# KiCad board Leopold Replacement.kicad_pcb (continued)
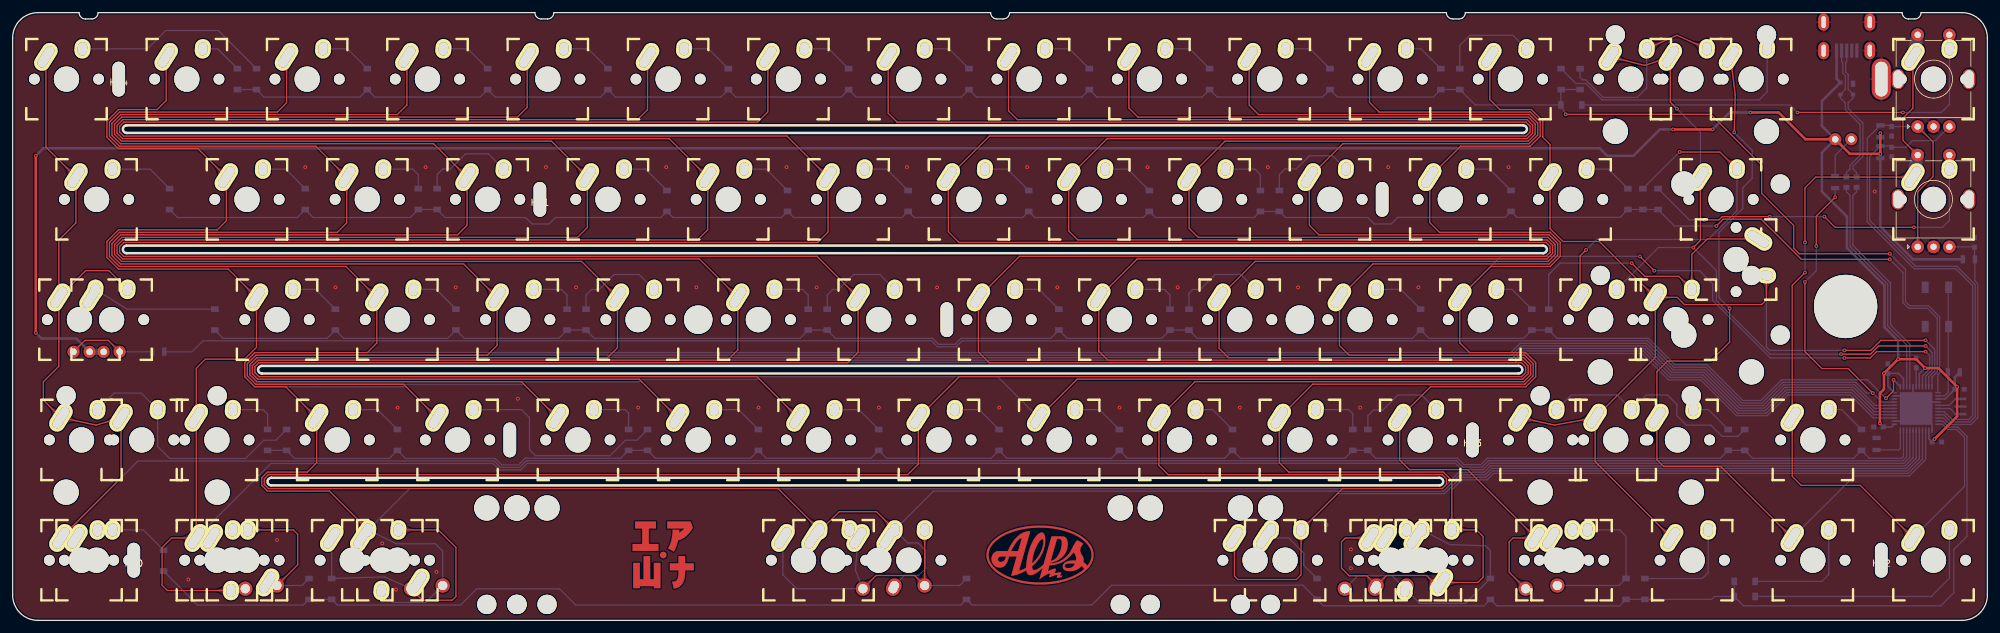
[diagram p0: board, top side]
## Copper pours and planes (outline as drawn; the poured copper is in the pictures) (continued)
Net-(D41-Pad2) on Bottom: 203.9,90.44 203.83,90.44 203.75,90.44 203.68,90.44 203.61,90.45 203.54,90.46 203.47,90.47 203.4,90.48 203.33,90.49 203.26,90.51 203.19,90.52 203.13,90.54 203.06,90.56 203,90.58 202.93,90.6 202.87,90.63 202.81,90.66 202.74,90.68 202.68,90.71 202.62,90.75 202.56,90.78 202.51,90.82 202.45,90.85 202.39,90.89 202.34,90.93 202.28,90.97 202.23,91.02 202.17,91.06 202.12,91.11 202.07,91.16 202.02,91.21 200.5,90.34 202.02,89.46 202.07,89.51 202.12,89.56 202.17,89.61 202.23,89.65 202.28,89.7 202.34,89.74 202.39,89.78 202.45,89.82 202.51,89.86 202.56,89.89 202.62,89.92 202.68,89.96 202.74,89.99 202.81,90.01 202.87,90.04 202.93,90.07 203,90.09 203.06,90.11 203.13,90.13 203.19,90.15 203.26,90.17 203.33,90.18 203.4,90.19 203.47,90.2 203.54,90.21 203.61,90.22 203.68,90.23 203.75,90.23 203.83,90.23 203.9,90.24
Net-(D42-Pad2) on Bottom: 208.6,73.22 208.65,73.16 208.7,73.11 208.75,73.06 208.79,73 208.84,72.94 208.88,72.89 208.92,72.83 208.96,72.77 209,72.71 209.04,72.66 209.07,72.6 209.1,72.54 209.13,72.47 209.16,72.41 209.19,72.35 209.21,72.29 209.24,72.22 209.26,72.16 209.28,72.09 209.3,72.03 209.31,71.96 209.33,71.9 209.34,71.83 209.35,71.76 209.36,71.69 209.37,71.62 209.37,71.55 209.38,71.48 209.38,71.41 209.38,71.34 211.07,70.88 210.62,72.58 210.55,72.58 210.47,72.58 210.4,72.58 210.33,72.59 210.26,72.59 210.2,72.6 210.13,72.61 210.06,72.63 209.99,72.64 209.93,72.66 209.86,72.68 209.8,72.7 209.73,72.72 209.67,72.74 209.6,72.77 209.54,72.79 209.48,72.82 209.42,72.85 209.36,72.88 209.3,72.92 209.24,72.95 209.18,72.99 209.12,73.03 209.07,73.07 209.01,73.12 208.95,73.16 208.9,73.21 208.84,73.26 208.79,73.31 208.74,73.36
Net-(D43-Pad2) on Bottom: 218.16,52.42 218.08,52.42 218.01,52.42 217.94,52.42 217.87,52.43 217.79,52.44 217.72,52.45 217.65,52.46 217.59,52.47 217.52,52.49 217.45,52.5 217.38,52.52 217.32,52.54 217.25,52.56 217.19,52.58 217.13,52.61 217.06,52.64 217,52.66 216.94,52.69 216.88,52.73 216.82,52.76 216.76,52.8 216.71,52.83 216.65,52.87 216.59,52.91 216.54,52.95 216.48,53 216.43,53.04 216.38,53.09 216.33,53.14 216.28,53.19 214.76,52.32 216.28,51.44 216.33,51.49 216.38,51.54 216.43,51.59 216.48,51.63 216.54,51.68 216.59,51.72 216.65,51.76 216.71,51.8 216.76,51.84 216.82,51.87 216.88,51.9 216.94,51.94 217,51.97 217.06,51.99 217.13,52.02 217.19,52.05 217.25,52.07 217.32,52.09 217.38,52.11 217.45,52.13 217.52,52.15 217.59,52.16 217.65,52.17 217.72,52.18 217.79,52.19 217.87,52.2 217.94,52.21 218.01,52.21 218.08,52.21 218.16,52.22
Net-(D44-Pad2) on Bottom: 208.65,33.41 208.58,33.41 208.51,33.41 208.43,33.41 208.36,33.42 208.29,33.43 208.22,33.44 208.15,33.45 208.08,33.46 208.01,33.48 207.94,33.49 207.88,33.51 207.81,33.53 207.75,33.55 207.68,33.57 207.62,33.6 207.56,33.63 207.5,33.65 207.44,33.68 207.38,33.72 207.32,33.75 207.26,33.79 207.2,33.82 207.14,33.86 207.09,33.9 207.03,33.94 206.98,33.99 206.93,34.03 206.87,34.08 206.82,34.13 206.77,34.18 205.25,33.31 206.77,32.43 206.82,32.48 206.87,32.53 206.93,32.58 206.98,32.62 207.03,32.67 207.09,32.71 207.14,32.75 207.2,32.79 207.26,32.83 207.32,32.86 207.38,32.89 207.44,32.93 207.5,32.96 207.56,32.98 207.62,33.01 207.68,33.04 207.75,33.06 207.81,33.08 207.88,33.1 207.94,33.12 208.01,33.14 208.08,33.15 208.15,33.16 208.22,33.17 208.29,33.18 208.36,33.19 208.43,33.2 208.51,33.2 208.58,33.2 208.65,33.21
Net-(D45-Pad2) on Bottom: 222.48,90.44 221.03,91.21 219.51,90.34 221.03,89.46 222.48,90.24
Net-(D46-Pad2) on Bottom: 232.42,71.43 232.34,71.43 232.27,71.43 232.2,71.43 232.12,71.44 232.05,71.45 231.98,71.46 231.91,71.47 231.84,71.48 231.77,71.5 231.71,71.51 231.64,71.53 231.58,71.55 231.51,71.57 231.45,71.59 231.38,71.62 231.32,71.65 231.26,71.67 231.2,71.7 231.14,71.74 231.08,71.77 231.02,71.81 230.96,71.84 230.91,71.88 230.85,71.92 230.8,71.96 230.74,72.01 230.69,72.05 230.64,72.1 230.58,72.15 230.53,72.2 229.01,71.33 230.53,70.45 230.58,70.5 230.64,70.55 230.69,70.6 230.74,70.64 230.8,70.69 230.85,70.73 230.91,70.77 230.96,70.81 231.02,70.85 231.08,70.88 231.14,70.91 231.2,70.95 231.26,70.98 231.32,71 231.38,71.03 231.45,71.06 231.51,71.08 231.58,71.1 231.64,71.12 231.71,71.14 231.77,71.16 231.84,71.17 231.91,71.18 231.98,71.19 232.05,71.2 232.12,71.21 232.2,71.22 232.27,71.22 232.34,71.22 232.42,71.23
Net-(D47-Pad2) on Bottom: 236.86,52.42 235.29,53.19 233.77,52.32 235.29,51.44 236.86,52.22
Net-(D48-Pad2) on Bottom: 222.85,35.2 222.91,35.14 222.96,35.09 223,35.04 223.05,34.98 223.1,34.92 223.14,34.87 223.18,34.81 223.22,34.75 223.26,34.69 223.29,34.64 223.33,34.58 223.36,34.52 223.39,34.45 223.42,34.39 223.45,34.33 223.47,34.27 223.5,34.2 223.52,34.14 223.54,34.07 223.56,34.01 223.57,33.94 223.59,33.88 223.6,33.81 223.61,33.74 223.62,33.67 223.63,33.6 223.63,33.53 223.64,33.46 223.64,33.39 223.64,33.32 225.33,32.86 224.88,34.56 224.8,34.56 224.73,34.56 224.66,34.56 224.59,34.57 224.52,34.57 224.45,34.58 224.38,34.59 224.32,34.61 224.25,34.62 224.18,34.64 224.12,34.66 224.05,34.68 223.99,34.7 223.93,34.72 223.86,34.75 223.8,34.77 223.74,34.8 223.68,34.83 223.62,34.86 223.56,34.9 223.5,34.93 223.44,34.97 223.38,35.01 223.32,35.05 223.27,35.1 223.21,35.14 223.16,35.19 223.1,35.24 223.05,35.29 223,35.34
Net-(D49-Pad2) on Bottom: 237.11,92.23 237.16,92.17 237.21,92.12 237.26,92.07 237.31,92.01 237.35,91.95 237.4,91.9 237.44,91.84 237.48,91.78 237.52,91.72 237.55,91.67 237.59,91.61 237.62,91.55 237.65,91.48 237.68,91.42 237.7,91.36 237.73,91.3 237.75,91.23 237.77,91.17 237.79,91.1 237.81,91.04 237.83,90.97 237.84,90.91 237.86,90.84 237.87,90.77 237.88,90.7 237.88,90.63 237.89,90.56 237.89,90.49 237.89,90.42 237.9,90.35 239.59,89.89 239.13,91.59 239.06,91.59 238.99,91.59 238.92,91.59 238.85,91.6 238.78,91.6 238.71,91.61 238.64,91.62 238.57,91.64 238.51,91.65 238.44,91.67 238.38,91.69 238.31,91.71 238.25,91.73 238.18,91.75 238.12,91.78 238.06,91.8 238,91.83 237.93,91.86 237.87,91.89 237.81,91.93 237.76,91.96 237.7,92 237.64,92.04 237.58,92.08 237.53,92.13 237.47,92.17 237.41,92.22 237.36,92.27 237.31,92.32 237.25,92.37
Net-(D50-Pad2) on Bottom: 251.43,71.43 251.35,71.43 251.28,71.43 251.21,71.43 251.13,71.44 251.06,71.45 250.99,71.46 250.92,71.47 250.85,71.48 250.78,71.5 250.72,71.51 250.65,71.53 250.59,71.55 250.52,71.57 250.46,71.59 250.39,71.62 250.33,71.65 250.27,71.67 250.21,71.7 250.15,71.74 250.09,71.77 250.03,71.81 249.97,71.84 249.92,71.88 249.86,71.92 249.81,71.96 249.75,72.01 249.7,72.05 249.65,72.1 249.59,72.15 249.54,72.2 248.03,71.33 249.54,70.45 249.59,70.5 249.65,70.55 249.7,70.6 249.75,70.64 249.81,70.69 249.86,70.73 249.92,70.77 249.97,70.81 250.03,70.85 250.09,70.88 250.15,70.91 250.21,70.95 250.27,70.98 250.33,71 250.39,71.03 250.46,71.06 250.52,71.08 250.59,71.1 250.65,71.12 250.72,71.14 250.78,71.16 250.85,71.17 250.92,71.18 250.99,71.19 251.06,71.2 251.13,71.21 251.21,71.22 251.28,71.22 251.35,71.22 251.43,71.23
Net-(D51-Pad2) on Top: 263.25,54.21 263.3,54.15 263.35,54.1 263.4,54.05 263.45,53.99 263.49,53.93 263.54,53.88 263.58,53.82 263.62,53.76 263.65,53.7 263.69,53.65 263.72,53.59 263.76,53.53 263.79,53.46 263.82,53.4 263.84,53.34 263.87,53.28 263.89,53.21 263.91,53.15 263.93,53.08 263.95,53.02 263.97,52.95 263.98,52.89 264,52.82 264.01,52.75 264.02,52.68 264.02,52.61 264.03,52.54 264.03,52.47 264.03,52.4 264.03,52.33 265.73,51.87 265.27,53.57 265.2,53.57 265.13,53.57 265.06,53.57 264.99,53.58 264.92,53.58 264.85,53.59 264.78,53.6 264.71,53.62 264.65,53.63 264.58,53.65 264.51,53.67 264.45,53.69 264.39,53.71 264.32,53.73 264.26,53.76 264.2,53.78 264.13,53.81 264.07,53.84 264.01,53.87 263.95,53.91 263.89,53.94 263.84,53.98 263.78,54.02 263.72,54.06 263.66,54.11 263.61,54.15 263.55,54.2 263.5,54.25 263.44,54.3 263.39,54.35
Net-(D51-Pad2) on Top: 273.01,60.19 273.09,60.18 273.16,60.18 273.23,60.18 273.31,60.17 273.38,60.16 273.45,60.15 273.52,60.14 273.59,60.13 273.65,60.12 273.72,60.1 273.79,60.08 273.85,60.06 273.92,60.04 273.98,60.02 274.05,59.99 274.11,59.96 274.17,59.94 274.23,59.91 274.29,59.87 274.35,59.84 274.41,59.81 274.47,59.77 274.52,59.73 274.58,59.69 274.63,59.65 274.69,59.6 274.74,59.56 274.79,59.51 274.85,59.46 274.9,59.41 276.41,60.29 274.9,61.16 274.85,61.11 274.79,61.06 274.74,61.01 274.69,60.97 274.63,60.92 274.58,60.88 274.52,60.84 274.47,60.8 274.41,60.77 274.35,60.73 274.29,60.7 274.23,60.66 274.17,60.63 274.11,60.61 274.05,60.58 273.98,60.55 273.92,60.53 273.85,60.51 273.79,60.49 273.72,60.47 273.65,60.46 273.59,60.44 273.52,60.43 273.45,60.42 273.38,60.41 273.31,60.4 273.23,60.39 273.16,60.39 273.09,60.39 273.01,60.39
Net-(D51-Pad2) on Top: 265.18,55.09 265.18,55.02 265.18,54.94 265.18,54.87 265.17,54.8 265.16,54.73 265.15,54.66 265.14,54.59 265.13,54.52 265.11,54.45 265.1,54.38 265.08,54.32 265.06,54.25 265.04,54.19 265.02,54.12 264.99,54.06 264.96,54 264.94,53.93 264.9,53.87 264.87,53.81 264.84,53.75 264.8,53.7 264.77,53.64 264.73,53.58 264.69,53.53 264.65,53.47 264.6,53.42 264.56,53.36 264.51,53.31 264.46,53.26 264.41,53.21 265.28,51.69 266.16,53.21 266.11,53.26 266.06,53.31 266.01,53.36 265.97,53.42 265.92,53.47 265.88,53.53 265.84,53.58 265.8,53.64 265.76,53.7 265.73,53.75 265.69,53.81 265.66,53.87 265.63,53.93 265.6,54 265.58,54.06 265.55,54.12 265.53,54.19 265.51,54.25 265.49,54.32 265.47,54.38 265.45,54.45 265.44,54.52 265.43,54.59 265.41,54.66 265.41,54.73 265.4,54.8 265.39,54.87 265.39,54.94 265.38,55.02 265.38,55.09
Net-(D52-Pad2) on Bottom: 245.79,35.34 245.74,35.29 245.68,35.24 245.63,35.19 245.57,35.14 245.52,35.1 245.46,35.05 245.4,35.01 245.35,34.97 245.29,34.93 245.23,34.9 245.17,34.86 245.11,34.83 245.05,34.8 244.98,34.77 244.92,34.75 244.86,34.72 244.8,34.7 244.73,34.68 244.67,34.66 244.6,34.64 244.53,34.62 244.47,34.61 244.4,34.59 244.33,34.58 244.26,34.57 244.19,34.57 244.12,34.56 244.05,34.56 243.98,34.56 243.91,34.56 243.46,32.86 245.15,33.32 245.15,33.39 245.15,33.46 245.15,33.53 245.16,33.6 245.17,33.67 245.18,33.74 245.19,33.81 245.2,33.88 245.21,33.94 245.23,34.01 245.25,34.07 245.27,34.14 245.29,34.2 245.31,34.27 245.34,34.33 245.37,34.39 245.39,34.45 245.42,34.52 245.46,34.58 245.49,34.64 245.53,34.69 245.56,34.75 245.6,34.81 245.65,34.87 245.69,34.92 245.73,34.98 245.78,35.04 245.83,35.09 245.88,35.14 245.93,35.2
Net-(D52-Pad2) on Bottom: 253.75,35.2 253.8,35.14 253.85,35.09 253.9,35.04 253.94,34.98 253.99,34.92 254.03,34.87 254.07,34.81 254.11,34.75 254.15,34.69 254.19,34.64 254.22,34.58 254.25,34.52 254.28,34.45 254.31,34.39 254.34,34.33 254.36,34.27 254.39,34.2 254.41,34.14 254.43,34.07 254.45,34.01 254.46,33.94 254.48,33.88 254.49,33.81 254.5,33.74 254.51,33.67 254.52,33.6 254.52,33.53 254.53,33.46 254.53,33.39 254.53,33.32 256.22,32.86 255.77,34.56 255.69,34.56 255.62,34.56 255.55,34.56 255.48,34.57 255.41,34.57 255.34,34.58 255.28,34.59 255.21,34.61 255.14,34.62 255.08,34.64 255.01,34.66 254.94,34.68 254.88,34.7 254.82,34.72 254.75,34.75 254.69,34.77 254.63,34.8 254.57,34.83 254.51,34.86 254.45,34.9 254.39,34.93 254.33,34.97 254.27,35.01 254.22,35.05 254.16,35.1 254.1,35.14 254.05,35.19 253.99,35.24 253.94,35.29 253.89,35.34
Net-(D52-Pad2) on Bottom: 257.67,35.34 257.62,35.29 257.56,35.24 257.51,35.19 257.45,35.14 257.4,35.1 257.34,35.05 257.28,35.01 257.23,34.97 257.17,34.93 257.11,34.9 257.05,34.86 256.99,34.83 256.93,34.8 256.87,34.77 256.8,34.75 256.74,34.72 256.68,34.7 256.61,34.68 256.55,34.66 256.48,34.64 256.42,34.62 256.35,34.61 256.28,34.59 256.21,34.58 256.15,34.57 256.08,34.57 256.01,34.56 255.93,34.56 255.86,34.56 255.79,34.56 255.34,32.86 257.03,33.32 257.03,33.39 257.03,33.46 257.03,33.53 257.04,33.6 257.05,33.67 257.06,33.74 257.07,33.81 257.08,33.88 257.09,33.94 257.11,34.01 257.13,34.07 257.15,34.14 257.17,34.2 257.19,34.27 257.22,34.33 257.25,34.39 257.28,34.45 257.31,34.52 257.34,34.58 257.37,34.64 257.41,34.69 257.45,34.75 257.49,34.81 257.53,34.87 257.57,34.92 257.62,34.98 257.66,35.04 257.71,35.09 257.76,35.14 257.81,35.2
Net-(D53-Pad2) on Top: 260.65,91.57 260.58,91.54 260.51,91.51 260.44,91.48 260.37,91.46 260.3,91.44 260.24,91.42 260.17,91.4 260.1,91.38 260.03,91.37 259.96,91.35 259.9,91.34 259.83,91.33 259.76,91.33 259.69,91.32 259.62,91.32 259.56,91.32 259.49,91.32 259.42,91.32 259.35,91.33 259.29,91.33 259.22,91.34 259.15,91.35 259.08,91.36 259.01,91.38 258.95,91.39 258.88,91.41 258.81,91.43 258.74,91.45 258.68,91.47 258.61,91.5 257.59,90.08 259.33,89.9 259.35,89.97 259.38,90.04 259.41,90.1 259.44,90.17 259.47,90.23 259.5,90.29 259.54,90.35 259.57,90.41 259.61,90.46 259.65,90.52 259.69,90.58 259.73,90.63 259.77,90.68 259.82,90.73 259.87,90.78 259.91,90.83 259.96,90.88 260.01,90.93 260.06,90.97 260.12,91.01 260.17,91.06 260.23,91.1 260.28,91.14 260.34,91.18 260.4,91.21 260.47,91.25 260.53,91.29 260.59,91.32 260.66,91.35 260.73,91.38
Net-(D53-Pad2) on Top: 265.09,91.39 265.16,91.36 265.22,91.32 265.29,91.29 265.35,91.25 265.41,91.22 265.47,91.18 265.53,91.14 265.59,91.1 265.64,91.06 265.7,91.02 265.75,90.97 265.8,90.93 265.85,90.88 265.9,90.83 265.95,90.79 266,90.74 266.04,90.68 266.08,90.63 266.13,90.58 266.17,90.52 266.2,90.47 266.24,90.41 266.28,90.35 266.31,90.29 266.34,90.23 266.38,90.17 266.41,90.1 266.43,90.04 266.46,89.97 266.49,89.91 268.23,90.08 267.21,91.5 267.14,91.47 267.07,91.45 267,91.43 266.94,91.41 266.87,91.39 266.8,91.38 266.73,91.36 266.67,91.35 266.6,91.34 266.53,91.33 266.46,91.33 266.4,91.32 266.33,91.32 266.26,91.32 266.19,91.32 266.12,91.32 266.06,91.33 265.99,91.34 265.92,91.35 265.85,91.36 265.78,91.37 265.72,91.38 265.65,91.4 265.58,91.42 265.51,91.44 265.44,91.46 265.38,91.49 265.31,91.51 265.24,91.54 265.17,91.57
Net-(D53-Pad2) on Bottom: 258.25,87.56 258.26,87.63 258.26,87.71 258.26,87.78 258.27,87.85 258.28,87.92 258.29,87.99 258.3,88.06 258.31,88.13 258.32,88.2 258.34,88.27 258.36,88.33 258.38,88.4 258.4,88.46 258.42,88.53 258.45,88.59 258.48,88.65 258.5,88.72 258.53,88.78 258.57,88.84 258.6,88.9 258.63,88.95 258.67,89.01 258.71,89.07 258.75,89.12 258.79,89.18 258.84,89.23 258.88,89.29 258.93,89.34 258.98,89.39 259.03,89.44 258.15,90.96 257.28,89.44 257.33,89.39 257.38,89.34 257.43,89.29 257.47,89.23 257.52,89.18 257.56,89.12 257.6,89.07 257.64,89.01 257.68,88.95 257.71,88.9 257.74,88.84 257.78,88.78 257.81,88.72 257.83,88.65 257.86,88.59 257.89,88.53 257.91,88.46 257.93,88.4 257.95,88.33 257.97,88.27 257.99,88.2 258,88.13 258.01,88.06 258.02,87.99 258.03,87.92 258.04,87.85 258.05,87.78 258.05,87.71 258.05,87.63 258.06,87.56
Net-(D54-Pad2) on Top: 270.38,73.22 270.43,73.16 270.48,73.11 270.53,73.06 270.58,73 270.62,72.94 270.66,72.89 270.71,72.83 270.74,72.77 270.78,72.71 270.82,72.66 270.85,72.6 270.89,72.54 270.92,72.47 270.94,72.41 270.97,72.35 271,72.29 271.02,72.22 271.04,72.16 271.06,72.09 271.08,72.03 271.1,71.96 271.11,71.9 271.12,71.83 271.13,71.76 271.14,71.69 271.15,71.62 271.16,71.55 271.16,71.48 271.16,71.41 271.16,71.34 272.85,70.88 272.4,72.58 272.33,72.58 272.26,72.58 272.19,72.58 272.12,72.59 272.05,72.59 271.98,72.6 271.91,72.61 271.84,72.63 271.77,72.64 271.71,72.66 271.64,72.68 271.58,72.7 271.51,72.72 271.45,72.74 271.39,72.77 271.32,72.79 271.26,72.82 271.2,72.85 271.14,72.88 271.08,72.92 271.02,72.95 270.96,72.99 270.91,73.03 270.85,73.07 270.79,73.12 270.74,73.16 270.68,73.21 270.63,73.26 270.57,73.31 270.52,73.36
Net-(D54-Pad2) on Top: 247.53,53.82 247.53,53.75 247.52,53.67 247.52,53.6 247.51,53.53 247.51,53.46 247.5,53.39 247.48,53.32 247.47,53.25 247.46,53.18 247.44,53.11 247.42,53.05 247.4,52.98 247.38,52.92 247.36,52.85 247.33,52.79 247.31,52.73 247.28,52.66 247.25,52.6 247.22,52.54 247.18,52.48 247.15,52.43 247.11,52.37 247.07,52.31 247.03,52.26 246.99,52.2 246.94,52.15 246.9,52.09 246.85,52.04 246.8,51.99 246.75,51.94 247.63,50.42 248.5,51.94 248.45,51.99 248.4,52.04 248.35,52.09 248.31,52.15 248.27,52.2 248.22,52.26 248.18,52.31 248.14,52.37 248.11,52.43 248.07,52.48 248.04,52.54 248.01,52.6 247.98,52.66 247.95,52.73 247.92,52.79 247.9,52.85 247.87,52.92 247.85,52.98 247.83,53.05 247.81,53.11 247.8,53.18 247.78,53.25 247.77,53.32 247.76,53.39 247.75,53.46 247.74,53.53 247.73,53.6 247.73,53.67 247.73,53.75 247.73,53.82
Net-(D54-Pad2) on Bottom: 272.51,68.55 272.51,68.62 272.52,68.7 272.52,68.77 272.53,68.84 272.53,68.91 272.54,68.98 272.55,69.05 272.57,69.12 272.58,69.19 272.6,69.26 272.62,69.32 272.64,69.39 272.66,69.45 272.68,69.52 272.71,69.58 272.73,69.64 272.76,69.71 272.79,69.77 272.82,69.83 272.86,69.89 272.89,69.94 272.93,70 272.97,70.06 273.01,70.11 273.05,70.17 273.09,70.22 273.14,70.28 273.19,70.33 273.24,70.38 273.29,70.43 272.41,71.95 271.54,70.43 271.59,70.38 271.64,70.33 271.68,70.28 271.73,70.22 271.77,70.17 271.82,70.11 271.86,70.06 271.9,70 271.93,69.94 271.97,69.89 272,69.83 272.03,69.77 272.06,69.71 272.09,69.64 272.12,69.58 272.14,69.52 272.17,69.45 272.19,69.39 272.21,69.32 272.23,69.26 272.24,69.19 272.26,69.12 272.27,69.05 272.28,68.98 272.29,68.91 272.3,68.84 272.3,68.77 272.31,68.7 272.31,68.62 272.31,68.55
Net-(D55-Pad1) on Top: 15.38,43.83 15.95,42.45 17.24,42.11 16.89,43.4 15.52,43.97
Net-(D55-Pad1) on Top: 11,43.97 9.62,43.4 9.27,42.11 10.56,42.45 11.14,43.83
Net-(D55-Pad1) on Bottom: 18.96,42.55 17.58,43.11 16.43,42.45 17.58,41.78 18.96,42.35
Net-(D56-Pad2) on Bottom: 288.94,33.41 287.81,34.18 286.3,33.31 287.81,32.43 288.94,33.21
Net-(D57-Pad2) on Bottom: 277.26,87.56 277.27,87.63 277.27,87.71 277.27,87.78 277.28,87.85 277.29,87.92 277.3,87.99 277.31,88.06 277.32,88.13 277.33,88.2 277.35,88.27 277.37,88.33 277.39,88.4 277.41,88.46 277.43,88.53 277.46,88.59 277.49,88.65 277.51,88.72 277.54,88.78 277.58,88.84 277.61,88.9 277.64,88.95 277.68,89.01 277.72,89.07 277.76,89.12 277.8,89.18 277.85,89.23 277.89,89.29 277.94,89.34 277.99,89.39 278.04,89.44 277.17,90.96 276.29,89.44 276.34,89.39 276.39,89.34 276.44,89.29 276.48,89.23 276.53,89.18 276.57,89.12 276.61,89.07 276.65,89.01 276.69,88.95 276.72,88.9 276.75,88.84 276.79,88.78 276.82,88.72 276.84,88.65 276.87,88.59 276.9,88.53 276.92,88.46 276.94,88.4 276.96,88.33 276.98,88.27 277,88.2 277.01,88.13 277.02,88.06 277.03,87.99 277.04,87.92 277.05,87.85 277.06,87.78 277.06,87.71 277.06,87.63 277.06,87.56
Net-(D58-Pad2) on Bottom: 267.88,33.41 266.43,34.18 264.91,33.31 266.43,32.43 267.88,33.21
Net-(D59-Pad2) on Bottom: 18.55,14.4 18.48,14.4 18.41,14.4 18.33,14.4 18.26,14.41 18.19,14.42 18.12,14.43 18.05,14.44 17.98,14.45 17.91,14.47 17.84,14.48 17.78,14.5 17.71,14.52 17.65,14.54 17.58,14.56 17.52,14.59 17.46,14.62 17.4,14.64 17.34,14.67 17.28,14.71 17.22,14.74 17.16,14.78 17.1,14.81 17.04,14.85 16.99,14.89 16.93,14.93 16.88,14.98 16.83,15.02 16.77,15.07 16.72,15.12 16.67,15.17 15.15,14.3 16.67,13.42 16.72,13.47 16.77,13.52 16.83,13.57 16.88,13.61 16.93,13.66 16.99,13.7 17.04,13.74 17.1,13.78 17.16,13.82 17.22,13.85 17.28,13.88 17.34,13.92 17.4,13.95 17.46,13.97 17.52,14 17.58,14.03 17.65,14.05 17.71,14.07 17.78,14.09 17.84,14.11 17.91,14.13 17.98,14.14 18.05,14.15 18.12,14.16 18.19,14.17 18.26,14.18 18.33,14.19 18.41,14.19 18.48,14.19 18.55,14.2
Net-(D60-Pad2) on Top: 43.43,7.33 43.38,7.28 43.33,7.23 43.29,7.19 43.24,7.15 43.19,7.11 43.14,7.07 43.09,7.04 43.03,7 42.98,6.97 42.93,6.94 42.88,6.9 42.82,6.88 42.77,6.85 42.71,6.82 42.66,6.8 42.6,6.78 42.55,6.76 42.49,6.74 42.43,6.72 42.37,6.7 42.32,6.69 42.26,6.68 42.2,6.66 42.14,6.65 42.07,6.65 42.01,6.64 41.95,6.64 41.89,6.63 41.83,6.63 41.76,6.63 41.35,5.11 42.87,5.52 42.88,5.58 42.88,5.64 42.88,5.71 42.89,5.77 42.89,5.83 42.9,5.89 42.91,5.95 42.92,6.01 42.93,6.07 42.95,6.13 42.96,6.19 42.98,6.25 43,6.3 43.02,6.36 43.04,6.41 43.07,6.47 43.09,6.52 43.12,6.58 43.15,6.63 43.18,6.69 43.21,6.74 43.25,6.79 43.28,6.84 43.32,6.89 43.36,6.94 43.4,6.99 43.44,7.04 43.48,7.09 43.52,7.14 43.57,7.18
Net-(D60-Pad2) on Top: 39.94,14.4 39.87,14.4 39.79,14.4 39.72,14.4 39.65,14.41 39.58,14.42 39.51,14.43 39.44,14.44 39.37,14.45 39.3,14.47 39.23,14.48 39.16,14.5 39.1,14.52 39.03,14.54 38.97,14.56 38.91,14.59 38.84,14.62 38.78,14.64 38.72,14.67 38.66,14.71 38.6,14.74 38.55,14.78 38.49,14.81 38.43,14.85 38.37,14.89 38.32,14.93 38.27,14.98 38.21,15.02 38.16,15.07 38.11,15.12 38.06,15.17 36.54,14.3 38.06,13.42 38.11,13.47 38.16,13.52 38.21,13.57 38.27,13.61 38.32,13.66 38.37,13.7 38.43,13.74 38.49,13.78 38.55,13.82 38.6,13.85 38.66,13.88 38.72,13.92 38.78,13.95 38.84,13.97 38.91,14 38.97,14.03 39.03,14.05 39.1,14.07 39.16,14.09 39.23,14.11 39.3,14.13 39.37,14.14 39.44,14.15 39.51,14.16 39.58,14.17 39.65,14.18 39.72,14.19 39.79,14.19 39.87,14.19 39.94,14.2
Net-(D60-Pad2) on Bottom: 44.22,5.61 44.16,5.61 44.09,5.61 44.03,5.61 43.96,5.62 43.9,5.62 43.84,5.63 43.78,5.64 43.72,5.65 43.66,5.67 43.6,5.68 43.54,5.7 43.48,5.72 43.42,5.73 43.36,5.76 43.31,5.78 43.25,5.8 43.2,5.83 43.14,5.85 43.09,5.88 43.04,5.91 42.99,5.94 42.94,5.98 42.89,6.01 42.84,6.05 42.79,6.08 42.74,6.12 42.69,6.16 42.64,6.2 42.6,6.25 42.55,6.29 41.19,5.51 42.55,4.72 42.6,4.76 42.64,4.81 42.69,4.85 42.74,4.89 42.79,4.93 42.84,4.97 42.89,5 42.94,5.04 42.99,5.07 43.04,5.1 43.09,5.13 43.14,5.16 43.2,5.18 43.25,5.21 43.31,5.23 43.36,5.26 43.42,5.28 43.48,5.3 43.54,5.31 43.6,5.33 43.66,5.34 43.72,5.36 43.78,5.37 43.84,5.38 43.9,5.39 43.96,5.39 44.03,5.4 44.09,5.4 44.16,5.4 44.22,5.41
Net-(D61-Pad2) on Bottom: 306.08,87.56 306.08,87.63 306.08,87.71 306.09,87.78 306.09,87.85 306.1,87.92 306.11,87.99 306.12,88.06 306.14,88.13 306.15,88.2 306.17,88.27 306.18,88.33 306.2,88.4 306.23,88.46 306.25,88.53 306.27,88.59 306.3,88.65 306.33,88.72 306.36,88.78 306.39,88.84 306.42,88.9 306.46,88.95 306.5,89.01 306.54,89.07 306.58,89.12 306.62,89.18 306.66,89.23 306.71,89.29 306.76,89.34 306.8,89.39 306.86,89.44 305.98,90.96 305.11,89.44 305.16,89.39 305.2,89.34 305.25,89.29 305.3,89.23 305.34,89.18 305.38,89.12 305.42,89.07 305.46,89.01 305.5,88.95 305.54,88.9 305.57,88.84 305.6,88.78 305.63,88.72 305.66,88.65 305.69,88.59 305.71,88.53 305.73,88.46 305.76,88.4 305.78,88.33 305.79,88.27 305.81,88.2 305.82,88.13 305.84,88.06 305.85,87.99 305.86,87.92 305.87,87.85 305.87,87.78 305.88,87.71 305.88,87.63 305.88,87.56